# Altium PCB ZYNQ7010_AD9363.PcbDoc (part 4 of 6)
Units mil, origin at the board's own origin, x right, y up, seen from the top; angles counter-clockwise.
Board outline 2907.03 x 3814.03 mil, 4 copper layers (Top Layer, Mid-Layer 1, Mid-Layer 2, Bottom Layer); 298 components, 279 nets, 1517 pads, 915 vias.
Unrouted connection lines stored in the file: 236.
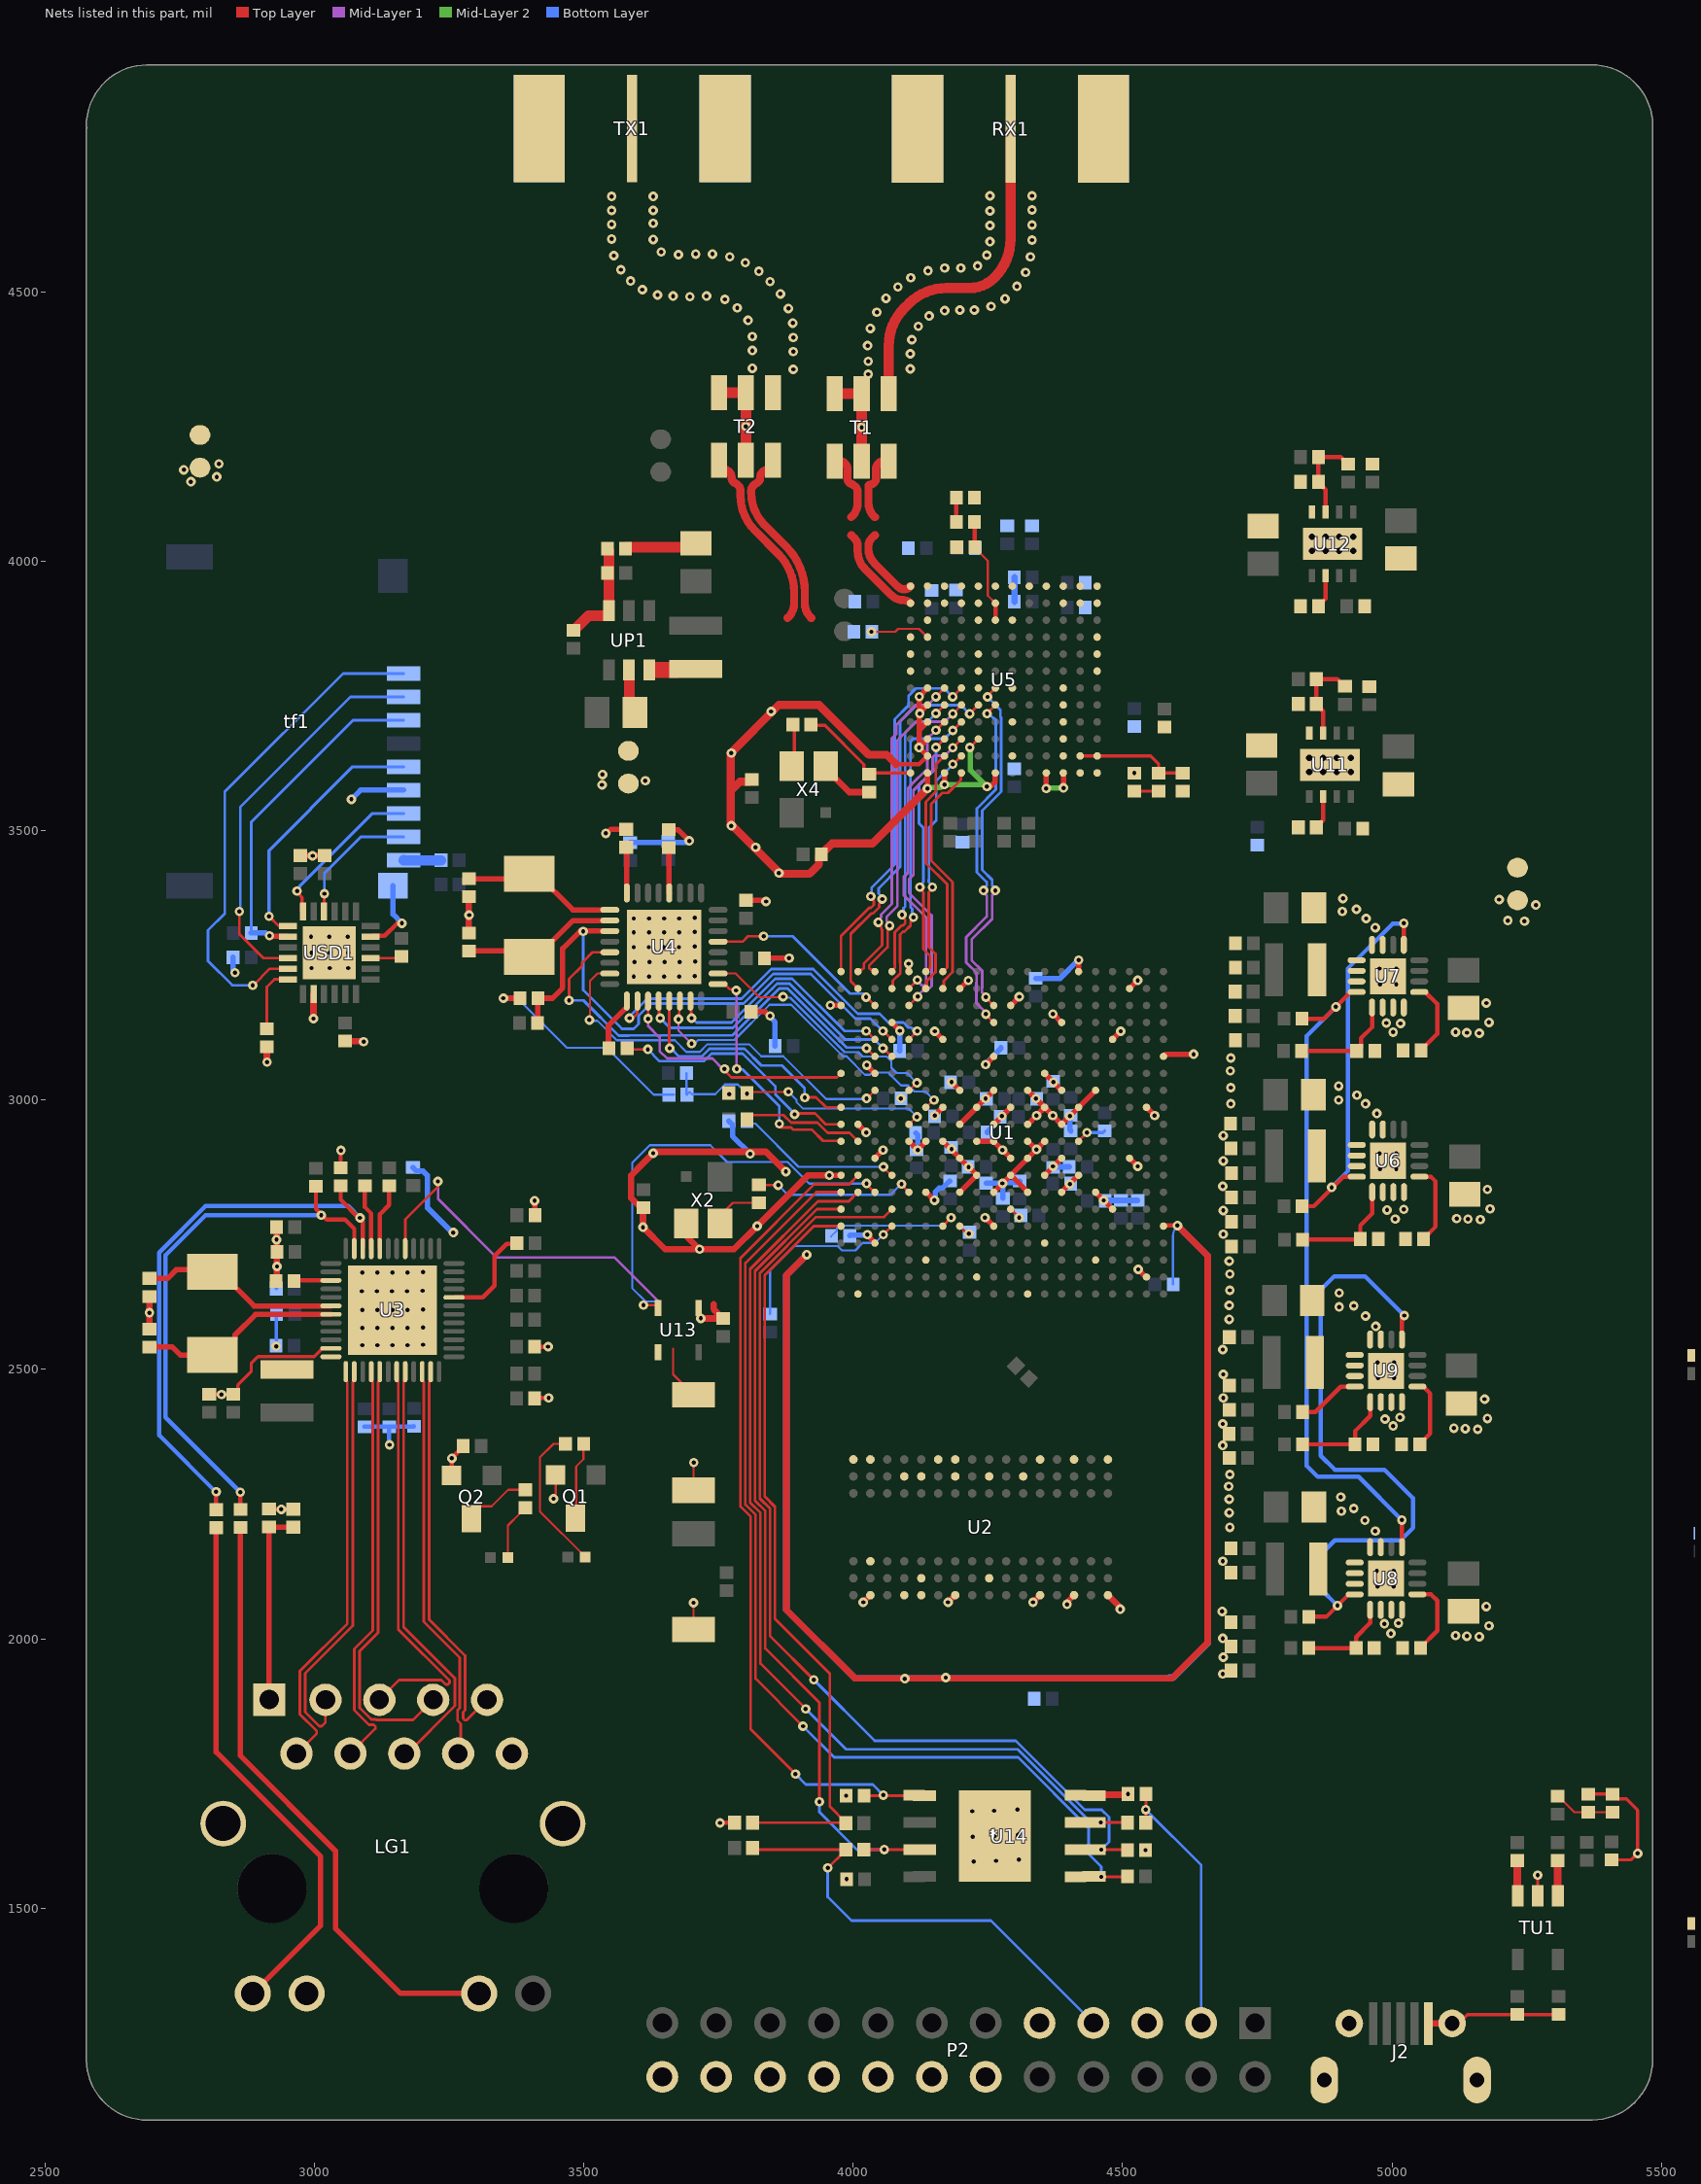
[diagram p6: the nets of this part, all layers, seen from the top]

## Via types
v1: diameter 17.72, hole 7.87, Top Layer to Bottom Layer, tented both sides, 899 vias
v2: diameter 19.68, hole 11.81, Top Layer to Bottom Layer, 16 vias

## Nets (pads, with @x,y where several pads share a name; then routed paths per layer and width w, separated by ;. In a path a pad name is that pad's centre, name@x,y a point inside that pad or via, vN(x,y) a via of type N, cw(c..) or ccw(c..) an arc to the next point about the centre after c; other vN are vias at no path point) (continued)
GND: *.4 *.9 C1.2 C2.1 C3.1 C4.1 C5.1 C6.1 C7.1 C8.1 C9.1 C10.1 C11.1 C12.1 C13.1 C33.1 C34.1 C35.1 C36.1 C37.1 C38.1 C39.1 C41.1 C42.1 C43.1 C44.1 C45.1 C46.1 C49.1 C50.1 C51.1 C52.1 C53.1 C54.1 C55.1 C56.1 C57.1 C61.1 C62.1 C67.1 C68.1 C69.1 C70.1 C71.1 C72.1 C73.1 C74.1 C75.1 C76.1 C77.1 C78.1 C80.1 C81.2 C82.1 C83.1 C84.1 C85.1 C86.1 C87.1 C89.1 C90.1 C91.1 C92.1 C93.1 C94.1 C95.1 C96.1 C98.2 C99.2 C100.2 C101.2 C102.2 C103.2 C104.2 C105.2 C106.2 C107.2 C108.2 C109.1 C110.1 C111.2 C112.2 C113.1 C114.1 C115.1 C116.1 C117.2 C118.2 C119.1 C120.2 C121.1 C122.2 C123.2 C124.2 C125.2 C126.2 C127.1 C128.1 C129.2 C130.1 C131.1 C132.2 C133.2 C134.2 C135.2 C136.2 C137.2 C138.2 C139.2 C140.1 C141.2 J2.5 J2.6 J2.7 J2.8 J2.9 LG1.12 LG1.P10 LG1.SHIELD0 LG1.SHIELD1 P2.3 P2.5 P2.18 P2.19 P2.20 P2.21 P2.22 P2.23 P2.24 Q1.2 Q2.2 R1.2 R3.1 R5.1 R6.2 R11.2 R12.2 R17.2 R18.2 R26.2 R28.2 R36.1 R40.1 R44.2 R49.1 R51.1 R53.1 R54.2 R56.1 R62.1 R65.2 R69.2 RESET.1 RX6.2 RX7.2 RX8.2 RX13.2 RX14.2 RX15.2 tf1.6 tf1.10 TU1.2 U1.A8 U1.A18 U1.B1 U1.B11 U1.C4 U1.C9 U1.C14 U1.D17 U1.E10 U1.E20 U1.F3 U1.F7 U1.F10 U1.G10 U1.G12 U1.G16 U1.H7 U1.H9 U1.H11 U1.H13 U1.H19 U1.J2 U1.J8 U1.J10 U1.J12 U1.K5 U1.K7 U1.K10 U1.K11 U1.K13 U1.K15 U1.L8 U1.L9 U1.L12 U1.L18 U1.M1 U1.M7 U1.M9 U1.M10 U1.M11 U1.M13 U1.N4 U1.N8 U1.N10 U1.N12 U1.N14 U1.P7 U1.P9 U1.P11 U1.P13 U1.P17 U1.R8 U1.R12 U1.R20 U1.T3 U1.T7 U1.T13 U1.U6 U1.U16 U1.V9 U1.V19 U1.W2 U1.W12 U1.Y5 U1.Y15 U2.A9 U2.B1 U2.B3 U2.B9 U2.D1 U2.D8 U2.E1 U2.E2 U2.E8 U2.F9 U2.G1 U2.G8 U2.G9 U2.J2 U2.J8 U2.M1 U2.M9 U2.P1 U2.P9 U2.T1 U2.T9 U3.0 U3.47 U4.0 U6.6 U6.7 U6.8 U6.15 U6.16 U6.20 U7.6 U7.7 U7.8 U7.15 U7.16 U7.20 U8.6 U8.7 U8.8 U8.15 U8.16 U8.20 U9.6 U9.7 U9.8 U9.15 U9.16 U9.20 U13.1 U14.4 USD1.2 USD1.11 USD1.25 USR_BTN.1 X2.2 | length 11194.5
  Top Layer w4: v1(3444,2260) ccw(c3434.34,2269.66) 3448,2269.66 Q1.2@3448,2304 ; USR_BTN.1@3703.95,2017.62 v1(3703.95,2066.95) ; RESET.1@3703.95,2275.62 3703.95,2324.45 cw(c3707.55,2324.45) v1@3705,2327
  Top Layer w6: C128.1@2850,2454 2858.17,2462.17 2858.17,2471.17 2883,2496 2883,2511 2895.67,2523.67 2999.79,2523.67 3015.33,2539.22 U3.47@3030.96,2539.22 ; J2.6@5111.65,1286.31 5123.88,1286.31 5140.34,1302.77 R69.2@5232.5,1302.77 C140.1@5309.5,1302.77 ; TU1.2@5270.5,1523.3 v1@5270.5,1562.5 ; C136.2@5364.5,1711.96 5409.23,1711.96 C135.2@5409.5,1711.7 5418.31,1702.89 5435.11,1702.89 5456,1682 5456,1603 5442.77,1589.77 C137.2@5407.5,1589.77
  Top Layer w8: C127.1@2805,2453.73 2805.13,2453.87 2849.87,2453.87 C128.1@2850,2454 ; C111.2@2916,2240.93 2916.13,2240.8 2960.86,2240.8 C112.2@2961,2240.66 ; R40.1@3049,2873.93 v1@3049,2907 ; USD1.11@3104.9,3302.8 3106.8,3304.7 3130.7,3304.7 3154,3328 3162.57,3328 v1(3162.73,3328.15) ; Q2.2@3255,2303 3255,2335.48 3276.54,2357.02 R65.2@3276.54,2358 ; R36.1@3408.73,2446.2 3409.73,2447.2 v1(3435,2447.2) ; C110.1@3408.73,2542.2 v1(3434,2542.2) ; v1@3753,1659 R53.1@3780,1659 ; U1.Y5@4575.94,2765.98 4576.96,2767 v1(4602,2767)
  Top Layer w9: U1.H19@4198.55,3206.93 4198.55,3207.02 4213.53,3222 v1(4214,3222)
  Top Layer w10: v1(3351,3189) C121.1@3381.54,3189 ; C109.1@3409.46,2786.2 v1@3409.46,2815.54 ; v1(3541,3495) 3543.09,3495 3550.55,3502.46 R44.2@3579,3502.46 ; C129.2@3658,3501.73 3675.27,3501.73 v1(3696,3481) ; C96.1@3801,3370.73 v1@3837.27,3370.73 ; C93.1@3810.73,3164 3836.58,3164 3844.58,3156 v1(3846,3156) ; C41.1@3835.73,3263 v1@3881,3263 ; v1(3956.07,2860.14) 3956.07,2860.47 U1.A8@3977.52,2860.47 ; v1(3957.86,3175.93) 3958.11,3175.68 3977.27,3175.68 U1.A18@3977.52,3175.43 ; U1.B11@4009.01,2954.96 v1(4024.18,2939.8) ; v1(4018.83,2067.77) U2.B1@4032.06,2081 ; v1(4025.37,3064.64) U1.C14@4040.51,3049.45 ; v1(4026.53,2750.14) 4026.53,2749.31 4040.55,2735.28 U1.C4@4041.69,2735.28 ; U1.C9@4040.51,2891.97 v1(4055.67,2907.13) ; U1.D17@4072.01,3143.93 4072.01,3143.6 4086.84,3128.76 v1(4086.84,3128.43) ; v1(4102.98,3253.05) 4103.24,3252.79 4103.24,3238.68 U1.E20@4103.5,3238.42 ; U1.E10@4103.5,2923.46 v1(4119.83,2907.14) ; v1(4119.83,2907.14) 4119.83,2907.71 4135,2922.88 U1.F10@4135,2923.46 ; U1.F3@4134.28,2704.55 U1.F3@4134.28,2704.74 ; U1.F7@4135.49,2828.94 4150.43,2814 v1(4151,2814) ; v1(4151.32,2971.28) U1.G12@4166.49,2986.45 ; v1(4151.32,3127.61) U1.G16@4166.49,3112.44 ; U1.G10@4166.49,2923.46 4182.82,2907.14 U1.H9@4197.99,2891.97 ; v1(4176.31,2067.77) U2.G1@4189.54,2081 ; v1(4182.83,3033.11) U1.H13@4197.99,3017.95 ; U1.H11@4197.99,2954.96 U1.J12@4228.32,2985.29 ; U1.H7@4199.16,2830.14 U1.J8@4229.49,2860.47 v1(4214.32,2875.64) U1.H9@4199.16,2890.8 ; U1.J10@4229.49,2923.46 U1.K10@4260.98,2923.46 ; U1.J12@4230.65,2987.62 v1(4245.81,3002.79) U1.K13@4260.98,3017.95 ; v1@4245.16,2781.8 U1.K5@4260.98,2765.98 ; v1(4245.81,3065.77) U1.K15@4260.98,3080.94 ; U1.K7@4260.98,2828.97 v1(4277.31,2845.31) U1.L8@4292.48,2860.47 ; U1.K11@4260.98,2954.96 v1(4276.15,2970.13) U1.L12@4292.48,2986.45 ; U1.K10@4262.15,2922.3 v1(4277.31,2907.13) U1.L9@4292.48,2891.97 ; U1.L18@4292.48,3175.43 v1@4308.3,3191.25 ; U1.M7@4323.97,2828.97 U1.L8@4292.48,2860.47 ; U1.M10@4323.97,2923.46 4324.56,2923.46 4339.72,2908.3 v1(4340.3,2908.3) ; U1.M11@4323.97,2954.96 v1(4340.3,2971.28) U1.N12@4355.47,2986.45 ; U1.M13@4323.97,3017.95 v1(4339.13,3002.78) U1.N12@4355.47,2986.45 ; v1(4333.79,2067.77) U2.M1@4347.02,2081 ; U1.N8@4355.47,2860.47 4371,2876 v1(4371,2877) 4372,2877 U1.P9@4386.97,2891.97 ; U1.N10@4355.47,2923.46 v1(4340.3,2908.3) ; U1.N14@4355.47,3049.45 v1(4371.81,3033.11) U1.P13@4386.97,3017.95 ; v1@4371.15,3159.75 U1.P17@4386.97,3143.93 ; U1.P7@4386.97,2828.97 v1(4402.14,2844.14) U1.R8@4418.46,2860.47 ; v1@4396.5,2067.49 U2.P1@4410.01,2081 ; U1.R20@4418.46,3238.42 v1(4418.46,3259.87) ; U1.T7@4449.96,2828.97 v1(4465.12,2813.8) U1.U6@4481.45,2797.48 ; U1.T13@4449.96,3017.95 v1(4402.14,2970.13) U1.P11@4386.97,2954.96 v1(4370.63,2971.28) U1.N12@4355.47,2986.45 ; U1.U16@4481.45,3112.44 v1(4496.61,3127.61) ; U1.V9@4512.95,2891.97 v1(4528.11,2876.8) ; U1.V19@4512.95,3206.93 v1(4528.12,3222.1) ; v1(4528.98,2685.79) U1.W2@4544.15,2670.63 ; U1.W12@4544.45,2986.45 v1(4559.62,2971.28) ; U1.Y15@4577.42,3082.54 4579.88,3085 v1(4632,3085) ; U1.L8@4292.48,2860.47 v1(4340.3,2908.3)
  Top Layer w12: C117.2@2694,2574.93 v1(2694,2605.2) C118.2@2694,2635.47 ; v1@2912,3071 R62.1@2912,3098.54 ; R26.2@2929.26,2664.2 ccw(c2926.85,2666.61) 2930.26,2666.61 C124.2@2930.26,2764.2 ; C138.2@2974,3453.73 C139.2@3019,3453.73 ; v1@2998.6,3152.4 USD1.2@2998.6,3196.5 ; C141.2@3057,3109.27 v1@3090.73,3109.27 ; C122.2@3287,3310 C123.2@3287,3377.27 ; v1(3629,2901.14) 3608.98,2881.13 3588.2,2860.35 3588.2,2817.78 3599.91,2806.08 3605.19,2806.08 C120.2@3611,2800.27 3610,2799.27 v1(3610,2764) 3651,2723 v1(3715,2723) ; v1@3629,2903 3630,2904 3838.36,2904 v1(3875.18,2867.18) ; X2.2@3694,2776.38 3694,2744 v1(3715,2723) ; v1(3717.27,2594.73) C132.2@3759,2594.73 ; 3741,2621 3741,2612 C132.2@3755.27,2597.73 ; v1(3914,2713) 3876,2675 3876,2054 4003,1927 4592,1927 4658,1993 4658,2711 v1(4602,2767) ; v1@3956.07,2860.47 3916.47,2860.47 v1(3822,2766) 3779,2723 v1(3715,2723) ; *.4@4412.61,1709.59 4413.81,1710.8 4509.06,1710.8 v1(4510.27,1712) ; U2.T1@4473,2081 4494.57,2059.43 4494.57,2056.09 v1(4495.66,2055) ; J2.5@5067.36,1286 5067.67,1286.31 J2.6@5111.65,1286.31
  Bottom Layer w4: v1(3351,3189) 3377,3189 3469,3097 3543,3097 3630,3010 C119.1@3667.78,3010 ; C106.2@4593.73,2658 4593.73,2747.04 cw(c4621.96,2747.04) v1(4602,2767)
  Bottom Layer w6: v1(2929.31,2543.01) 2929.31,2602.25 C115.1@2930.26,2603.2 ; C126.2@2929.53,2650.2 2931,2651.67 v1(2931,2691)
  Bottom Layer w8: C125.2@3093,2393.74 3093.36,2394.1 3184.63,2394.1 C131.1@3185,2394.47 ; v1@3139,2361 C113.1@3139,2393.74
  Bottom Layer w10: C134.2@2849.27,3265 2849.27,3239.73 v1@2853,3236 ; v1(3069,3558) 3086.05,3575.05 tf1.6@3165.82,3575.05 ; tf1.10@3146.13,3397.88 3146.13,3344.75 v1(3162.73,3328.15) ; C130.1@3183,2874.93 3189.81,2868.12 3201.88,2868.12 3210,2860 3210,2800 v1@3258.04,2751.96 ; C76.1@3586,3477.73 3690.64,3477.73 3693.91,3481 v1(3696,3481) ; R56.1@3769.27,2961 3776.08,2954.19 3776.08,2932.92 v1(3809,2900) ; v1(3846,3156) 3846,3153.91 3855.27,3144.64 C84.1@3855.27,3100 ; R3.1@3993.73,2748 3994.8,2749.07 4025.46,2749.07 v1(4026.53,2750.14) ; C90.1@4086.27,3091 4086.56,3091.29 4086.56,3128.15 v1(4086.84,3128.43) ; C45.1@4116.27,2939 4119.83,2935.44 v1(4119.83,2907.14) ; v1(4151,2814) 4152.48,2815.48 4152.48,2829.48 4160.08,2837.08 4166.36,2837.08 4179.02,2849.73 C55.1@4180,2849.73 ; v1(4245.81,3065.77) 4245.81,3067.56 4274.27,3096.02 C94.1@4274.27,3097 ; C54.1@4247,2845.73 4247.21,2845.52 4277.1,2845.52 v1(4277.31,2845.31) ; C43.1@4248.73,2940 4248.73,2940.98 4269.69,2961.94 4269.69,2963.67 v1(4276.15,2970.13) ; C75.1@4278,2817.73 4277.66,2818.07 4277.66,2844.96 v1(4277.31,2845.31) ; C50.1@4309,2849.73 4306.05,2846.78 4278.79,2846.78 v1(4277.31,2845.31) ; C85.1@4339,3225.73 4384.33,3225.73 v1(4418.46,3259.87) ; v1(4371,2877) 4372,2876 C42.1@4401.27,2876 ; v1(4402.14,2970.13) 4402.14,2944.6 C73.1@4404,2942.73 ; v1(4465.12,2813.8) 4527.93,2813.8 C95.1@4528,2813.73
  Bottom Layer w12: v1(3914,2713) 3876,2675 3876,2054 4003,1927 4586,1927 4587,1928 4594,1928 4658,1992 4658,2711 v1(4602,2767)
  other v1: 3988,1554 5270.51,1561.37 4224,1587 4265,1588 4308,1590 5456.05,1601.81 4542.73,1608 4222,1633 4263,1634 4306,1636 3753,1658.5 4221,1680 4262,1681 4305,1683 3987,1709 4096,1926 4172,1928 4686,1935 4687,1966 4686,2001 5162,2004 5139,2005 5118,2006 4998,2010 5180,2024 4986,2028 5012,2029 4684.86,2051 5175,2060 4397,2064 4973,2097 5003,2097 4972,2126 5003,2126 4686,2144 4969,2200 4699,2207 4950,2220 4698,2234 4906,2237 2938.86,2240.31 4929,2242 4698,2259 4905,2263 4697,2283 4699,2305 3704.4,2327.14 3255.37,2334.99 4686,2359 3139.74,2360.05 5159,2389 5136,2390 5115,2391 5002,2395 4686,2399 4987,2408 5177,2409 5015,2411 5172,2445 4687,2447 2827.87,2453.38 4974,2484 5004,2484 4687,2491 4973,2513 5004,2513 4686,2537 3089,2545 3117,2545 3145,2545 3173,2545 3202,2546 3089,2577 3117,2577 3145,2577 3173,2577 3202,2578 4970,2580 4698,2593 4951,2599 3089.14,2610.08 3117.14,2610.08 3145.14,2610.08 3173.14,2610.08 3202.14,2611.08 4902,2616 4929,2618 4698,2619 4902,2642 3088,2645 3116,2645 3144,2645 3172,2645 3201,2646 4699,2647 4699,2677 3089,2680 3117,2680 3145,2680 3173,2680 3202,2681 4698,2701 2930,2741 4687,2751 3258,2754 5164,2778 5006,2779 5141,2779 5120,2780 4244.73,2781.8 4687,2795 4991,2796 5022,2797 5182,2798 3409,2813 5177,2834 4686,2840 4978,2872 5008,2872 4687,2887 4977,2901 5008,2901 3049.36,2906.51 4182.82,2909.14 4687,2934 4972,2975 4701,2993 4951,2993 4901.14,3000 4088.73,3003 4934.86,3009 3770,3011 4701,3023 4901.14,3026 4700,3054 2912.37,3070.51 4701,3078 3091.66,3108.2 5162,3124 5139,3125 5002,3126 5118,3126 5016,3142 4989.66,3143.09 5180,3144 2998.61,3151.13 4370.72,3159.75 5175,3180 4308.3,3191.68 4978,3215 5008,3215 3593,3229 3621,3229 3649,3229 3677,3229 3706,3230 2853.03,3236.41 4977,3244 5008,3244 2995,3245 3029,3245 3063,3245 3594,3256 3622,3256 3650,3256 3678,3256 3707,3257 3881.34,3263.34 2995,3273 3029,3273 3063,3273 3592.79,3283.79 3620.79,3283.79 3648.79,3283.79 3676.79,3283.79 3705.79,3284.79 2994,3303 3028,3303 3062,3303 3593,3311 3621,3311 3649,3311 3677,3311 3706,3312 4969,3320 5246,3332 5215,3333 3593,3337 3621,3337 3649,3337 3677,3337 4952,3337 3706,3338 3287.37,3343.15 4908,3350 4934,3354 5267,3362 3838.38,3368.56 5199,3372 4909,3374 2996.87,3453.24 3534,3585 3614.26,3592.74 3535,3604 2771,4147.5 2819,4156.5 2758,4169.5 2823,4180.5
NetC6_2: C6.2 U6.9 | length 149.8
  Top Layer w8: U6.9@5051,2857.7 5051.57,2857.13 5072.87,2857.13 5081,2849 5081,2765.25 5058.73,2742.98 C6.2@5058.73,2742
NetC7_2: C7.2 U7.9 | length 141.3
  Top Layer w8: U7.9@5050.6,3200.4 5061.85,3200.4 5084,3178.25 5084,3122.98 5054,3092.98 C7.2@5054,3092
NetC11_2: C11.2 U8.9 | length 142.5
  Top Layer w8: U8.9@5047.1,2082.5 5072.5,2082.5 5084,2071 5084,2014.98 5053,1983.98 C11.2@5053,1983
NetC13_2: C13.2 U9.9 | length 131.4
  Top Layer w8: U9.9@5047.2,2468 5058.45,2468 5071,2455.45 5071,2381.25 5051.73,2361.98 C13.2@5051.73,2361
NetC19_1: C19.1 R21.2 R24.1 U11.3 | length 163.9
  Top Layer w8: U11.3@4872.2,3681.06 4872.2,3721.54 4859.73,3734.02 R24.1@4859.73,3735 R21.2@4859.73,3781 4898.75,3781 4912.02,3767.73 C19.1@4913,3767.73
NetC24_1: C24.1 R22.2 R25.1 U12.3 | length 167.8
  Top Layer w8: U12.3@4876.82,4091.26 4876.82,4133.02 4863.61,4146.22 R25.1@4863.61,4147.2 R22.2@4863.61,4193.2 4904.63,4193.2 4917.63,4180.2 C24.1@4918.61,4180.2
NetC27_2: C27.2 U11.6 | length 62.1
  Top Layer w8: C27.2@4859.73,3506 4859.73,3506.98 4872.2,3519.46 U11.6@4872.2,3562.94
NetC28_2: C28.2 U12.6 | length 62.4
  Top Layer w8: C28.2@4863.61,3916.2 4863.61,3917.19 4876.82,3930.39 U12.6@4876.82,3973.15
NetC111_1: C111.1 C112.1 LG1.P1 | length 365.5
  Top Layer w10: LG1.P1@2916.37,1887.24 2916,1887.61 C111.1@2916,2207.47 2916.13,2207.33 2960.86,2207.33 C112.1@2961,2207.2
NetC117_1: C117.1 U3.43 X1.1 | length 380
  Top Layer w10: C117.1@2694,2541.47 2736.73,2541.47 2752,2526.2 2810.16,2526.2 X1.1@2810.98,2527.02 2824.76,2527.02 2853.22,2555.48 2853.22,2564.42 2891,2602.21 U3.43@3030.96,2602.21
NetC118_1: C118.1 U3.42 X1.2 | length 371.6
  Top Layer w10: C118.1@2694,2668.93 2727.73,2668.93 2744,2685.2 2807.2,2685.2 X1.2@2811.02,2681.38 2824.8,2681.38 2888.22,2617.96 U3.42@3030.96,2617.96
NetC119_2: C119.2 R28.1 R29.1 U1.E11 | length 529.1
  Top Layer w4: R28.1@3802.73,3015 3879.64,3015 v1(3880,3015.36) ; U1.E11@4103.5,2954.96 v1@4117.2,2968.66
  Bottom Layer w4: R29.1@3690.73,3050 3690.73,3011 C119.2@3691.73,3012 ; C119.2@3691.73,3010 3696.73,3015 3700.73,3011 3744,3011 3762,3029 3786,3029 v1(3803,3012) ; v1(3880,3015.36) 3894.81,3000.55 3894.81,2996.19 3907,2984 4103.24,2984 4115.34,2971.89 4115.34,2968.66 v1(4118.58,2968.66)
NetC122_1: C122.1 U4.26 X3.1 | length 294
  Top Layer w10: C122.1@3287,3276.54 3388.26,3276.54 X3.1@3398.98,3265.82 3412.76,3265.82 3480.15,3333.21 U4.26@3548.61,3333.21
NetC123_1: C123.1 U4.25 X3.2 | length 293.4
  Top Layer w10: C123.1@3287,3410.73 3389.57,3410.73 X3.2@3399.02,3420.18 3412.8,3420.18 3480.08,3352.9 U4.25@3548.61,3352.9
NetC129_1: C129.1 U4.20 | length 84.2
  Top Layer w10: C129.1@3658,3468.27 3658.65,3467.62 3658.65,3384.59 U4.20@3658.84,3384.39
NetC135_1: C135.1 C136.1 R64.1 | length 114.4
  Top Layer w4: R64.1@5307.5,1708.23 5308.48,1708.23 5338.22,1678.5 C136.1@5364.5,1678.5 5364.77,1678.23 C135.1@5409.5,1678.23
NetC142_1: C142.1 R73.2 | length 45
  Top Layer w8: R73.2@4191.54,4073 C142.1@4191.54,4118
NetC145_2: C145.2 R74.1 | length 45
  Top Layer w6: C145.2@4522,3573.27 R74.1@4567,3573.27
NetC146_2: C146.2 R73.1 U5.G2 U5.G3 | length 198.5
  Top Layer w4: C146.2@4225.73,4026 4225.73,4025.02 4250,4000.75 4250,3936.1 U5.G2@4264,3922.1
  Top Layer w8: R73.1@4225,4073 4225.37,4072.63 4225.37,4026.37 C146.2@4225.73,4026 ; U5.G3@4264,3890.61 U5.G2@4264,3922.1
NetC150_2: C150.2 C152.1 U5.M12 | length 227.4
  Top Layer w6: C152.1@3921.73,3697 3923.27,3695.47 3947.53,3695.47 4020.2,3622.8 4020.2,3613.54 4026.6,3607.14 U5.M12@4106.52,3607.14
NetC151_2: C151.2 R74.2 U5.A11 U5.B11 | length 213.6
  Top Layer w6: U5.B11@4421.48,3638.64 U5.A11@4452.98,3638.64 4552.26,3638.64 4566.88,3624.03 4566.88,3606.85 R74.2@4567,3606.73 4611.68,3606.73 C151.2@4611.73,3606.78
NetC152_2: C152.2 X4.3 | length 80.3
  Top Layer w6: X4.3@3886,3620 3891.13,3625.13 3891.13,3694.14 C152.2@3888.27,3697
NetCP2_2: CP2.2 RP1.1 RP2.2 UP1.6 | length 201.6
  Top Layer w20: CP2.2@3481,3871.73 3481.98,3871.73 3508.89,3898.63 3545.77,3898.63 3546.59,3899.46 UP1.6@3546.59,3908.32 3546.59,4019.69 3544.27,4022.02 RP1.1@3544.27,4023
NetDONE_2: DONE.2 R61.2 | length 277.4
  Top Layer w4: R61.2@3466.27,2362 3444,2362 3419,2337 3419,2236 DONE.2@3503,2152
NetL1_1: L1.1 U6.1 U6.2 U6.3
NetL2_1: L2.1 U7.1 U7.2 U7.3
NetL3_1: L3.1 U8.1 U8.2 U8.3
NetL4_1: L4.1 U9.1 U9.2 U9.3
NetLG1_11: LG1.11 R32.2 | length 997.4
  Top Layer w10: R32.2@2818,2206.27 2818,1790 3012,1596 3012,1468 2887,1343 2887,1342 LG1.11@2886,1342
NetLG1_13: LG1.13 R31.2 | length 1133.6
  Top Layer w10: R31.2@2863,2206.54 2863,1783 3039.5,1606.5 3039.5,1462.5 3160,1342 LG1.13@3306,1342
NetLP1_1: LP1.1 UP1.3 | length 76.8
  Top Layer w30: UP1.3@3632,3798.08 3673.55,3798.08 3675.55,3800.08 LP1.1@3708,3800.08
NetP2_2: P2.2 R52.1 R54.1 | length 493
  Top Layer w5: R52.1@4543,1658.02 R52.1@4543,1659 4543.73,1659.73 R54.1@4543.73,1712
  Bottom Layer w5: v1(4543,1683) 4646,1580 P2.2@4646,1287
NetP2_4: P2.4 R48.2 R50.1 | length 886.2
  Top Layer w5: R48.2@3813.46,1612 3816.46,1609 R50.1@3986.54,1609 3986.54,1608.02 v1@3951,1572.48 ; P2.4@4446,1287 P2.4@4446,1299
  Bottom Layer w5: v1(3953,1575) 3953,1521 3997,1477 4256,1477 4438,1295 4438,1287 P2.4@4446,1287
NetQ1_3: Q1.3 R61.1 | length 144.1
  Top Layer w4: Q1.3@3485,2224 3486,2225 3486,2319.74 3499.73,2333.47 R61.1@3499.73,2362
NetQ2_3: Q2.3 R60.1 | length 126.4
  Top Layer w4: Q2.3@3292,2223 3292,2230 3308,2246 3329.24,2246 3359.97,2276.73 R60.1@3392,2276.73
NetR2_2: R2.2 U1.H5 | length 22.3
  Top Layer w5: U1.H5@4197.99,2765.98 v1@4213.74,2750.26
  other v1: 4215,2752
NetR3_2: R3.2 U1.G5 | length 262.7
  Top Layer w5: U1.G5@4166,2766 v1(4181.74,2781.74)
  Bottom Layer w4: R3.2@3958.87,2746.41 3970.08,2757.61 3970.08,2762.66 3974.22,2766.8 4166.8,2766.8 v1(4181.74,2781.74)
NetR6_1: R6.1 U2.L8
NetR9_2: R9.2 R11.1 U6.5 | length 204.2
  Top Layer w8: R9.2@4833.73,2741 4940.27,2741 R11.1@4941.27,2742 4941.27,2767.27 4963.4,2789.4 U6.5@4963.4,2829.1
NetR10_2: R10.2 R12.1 U7.5 | length 194.7
  Top Layer w8: R10.2@4832.46,3091 R12.1@4934.54,3091 4942.35,3098.81 4942.35,3114.35 4963,3135 U7.5@4963,3171.8
NetR14_2: R14.2 R17.1 U8.5 | length 169.5
  Top Layer w8: R14.2@4845.73,1983 R17.1@4933.54,1983 4933.54,2003.54 4959.5,2029.5 U8.5@4959.5,2053.9
NetR15_2: R15.2 U9.4 | length 116.7
  Top Layer w8: R15.2@4833.73,2421 4858,2421 4905,2468 U9.4@4931,2468
NetR16_2: R16.2 R18.1 U9.5 | length 187.8
  Top Layer w8: R16.2@4833.73,2361 R18.1@4931.54,2361 4931.54,2385.54 4959.6,2413.6 U9.5@4959.6,2439.4
NetR26_1: R26.1 U3.39 | length 68.7
  Top Layer w8: R26.1@2962.73,2664.2 2963.73,2665.2 U3.39@3030.96,2665.2
NetR27_1: R27.1 U3.32 | length 123.5
  Top Layer w8: U3.32@3121.52,2724.26 3121.52,2787.72 3139,2805.2 R27.1@3139,2840.47
NetR30_2: R30.2 U1.B10 | length 230.6
  Top Layer w5: R30.2@3802.73,2964 3810.73,2972 3871,2972 3885,2958 3933.6,2958 3952.6,2939 3993.47,2939 4007.54,2924.93 4007.54,2923.46 U1.B10@4009.01,2923.46
NetR37_2: R37.2 X2.3 | length 86.8
  Top Layer w4: X2.3@3753,2780.38 3753,2785.3 3776.97,2809.27 R37.2@3825,2809.27
NetR38_2: R38.2 U3.20 | length 190.5
  Top Layer w8: U3.20@3259.31,2633.7 3259.44,2633.83 3312.63,2633.83 3334.5,2655.7 3334.5,2710.7 3356.87,2733.08 3374.87,2733.08 R38.2@3376,2734.2
NetR42_2: R42.2 U4.1 | length 104.1
  Top Layer w10: R42.2@3548.17,3096.91 R42.2@3547.27,3096 3546,3097.27 3546,3138.26 3577.6,3169.86 3578.56,3169.86 3580.1,3171.4 U4.1@3580.1,3183.61